# Altium PCB CCZynq.PcbDoc (part 2 of 5)
Units mil, origin at the board's own origin, x right, y up, seen from the top; angles counter-clockwise.
Board outline 3895 x 3895 mil, 4 copper layers (Top Layer, GND, PWR, Bottom Layer), stack 23.756 mil thick; 247 components, 195 nets, 1181 pads, 779 vias.
Unrouted connection lines stored in the file: 8.
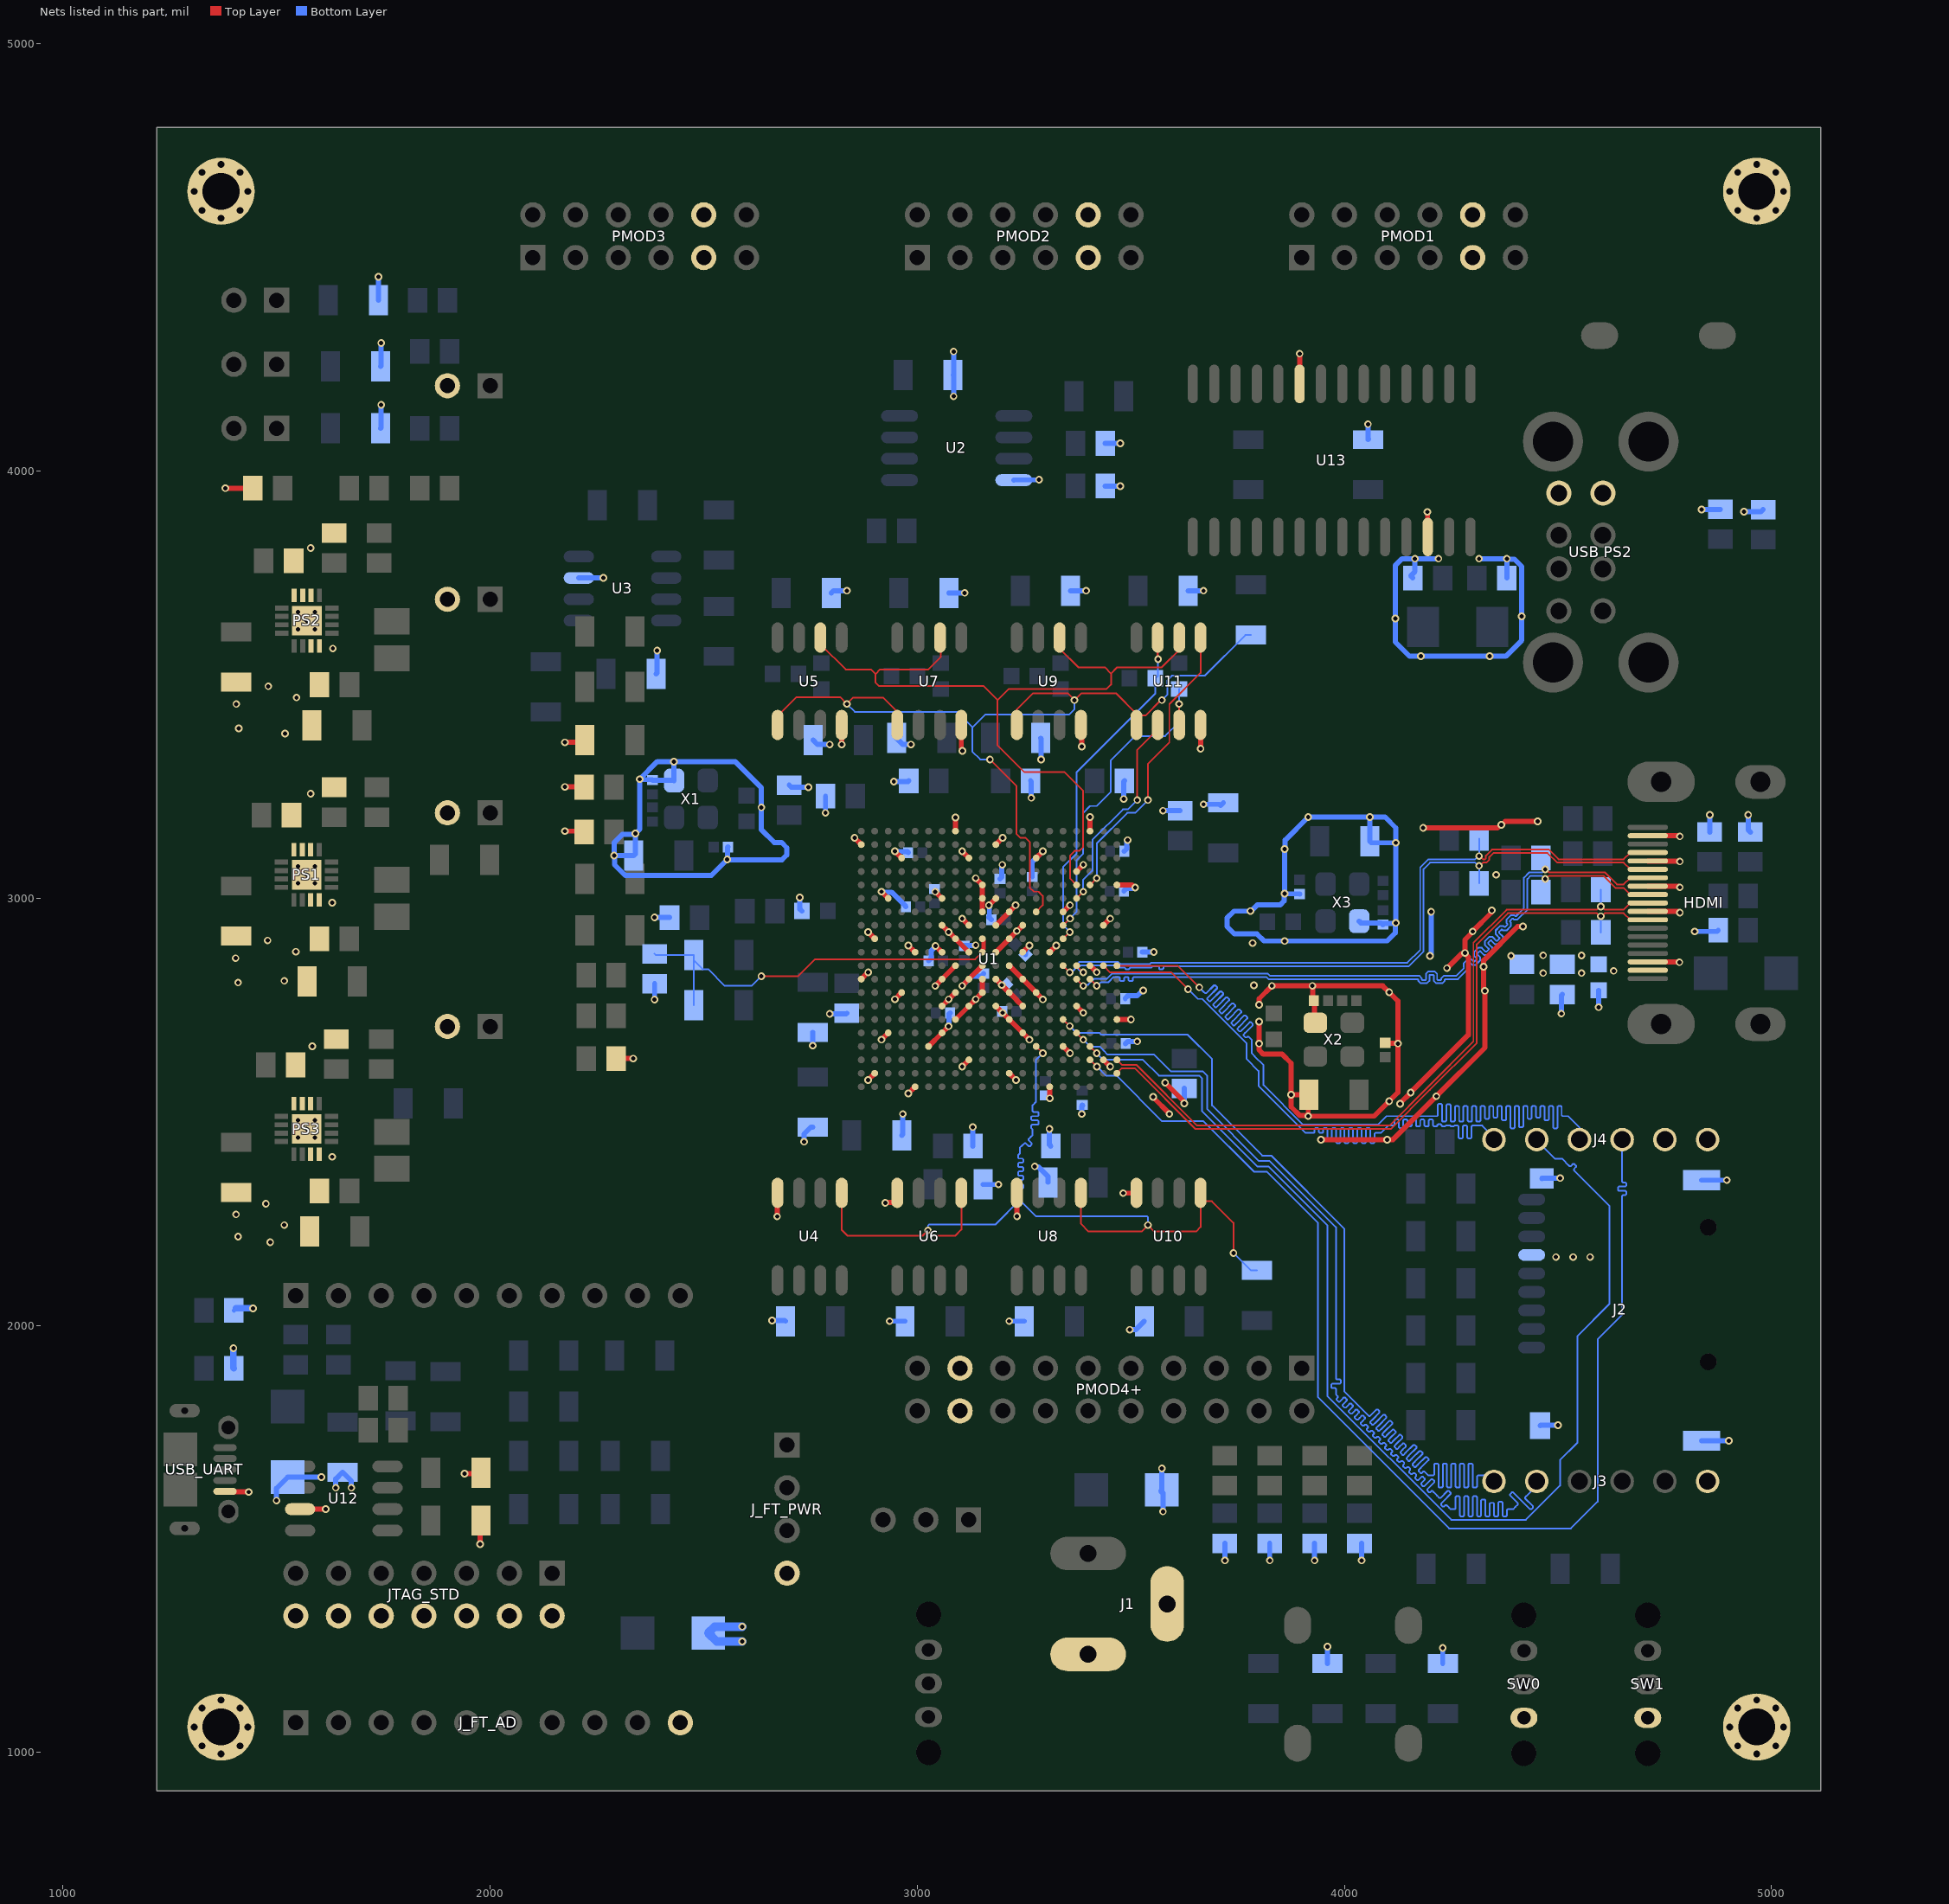
[diagram p4: the nets of this part, all layers, seen from the top]

## Via types
v1: diameter 17.72, hole 10, Top Layer to Bottom Layer, tented both sides, 747 vias
v2: diameter 23.62, hole 15.75, Top Layer to Bottom Layer, tented both sides, 32 vias

## Nets (pads, with @x,y where several pads share a name; then routed paths per layer and width w, separated by ;. In a path a pad name is that pad's centre, name@x,y a point inside that pad or via, vN(x,y) a via of type N, cw(c..) or ccw(c..) an arc to the next point about the centre after c; other vN are vias at no path point) (continued)
CE_B1: R47.2 U1.U14 U4.1 U6.1 U8.1 U10.1 | length 2305.8
  Top Layer w4: U4.1@2823,2310.36 2823,2223.34 2836.34,2210 3012.37,2210 v1(3025,2222.63) 3037.63,2210 3088.66,2210 3103,2224.34 U6.1@3103,2310.36 ; U1.U14@3278.24,2653.28 v1(3293.98,2637.53) ; U8.1@3383,2310.36 3383,2237.98 3400.98,2220 3525,2220 v1(3540,2235) 3555,2220 3652.63,2220 3663,2230.37 U10.1@3663,2301.59 ; U10.1@3663,2310.36 U10.1@3663,2301.59 ; v1(3740,2169.28) 3740,2240 3689.29,2290.71 3673.88,2290.71 U10.1@3663,2301.59
  Bottom Layer w4: v1(3025,2222.63) 3025,2233.59 3027.72,2236.31 3183.14,2236.31 3240,2293.17 ; v1(3293.98,2637.53) 3277.66,2621.2 3277.66,2523.21 3270,2515.55 3270,2505 3270,2502 3272,2500 3282,2500 3284,2498 3284,2492 3282,2490 3270,2490 3268.69,2490 3266.69,2488 3266.69,2482 3268.69,2480 3270,2480 3282,2480 3284,2478 3284,2472 3282,2470 3270,2470 3268.69,2470 3266.69,2468 3266.69,2462 3268.69,2460 3270,2458.69 3270,2450 3270,2445.74 3266.46,2442.2 3260.81,2436.55 3260.81,2433.72 3267.88,2426.65 3267.88,2423.82 3263.64,2419.57 3260.81,2419.57 3253.74,2426.65 3250.91,2426.65 3245.25,2420.99 3240,2415.74 3240,2410.74 3240,2402.74 3238,2400.74 3236,2398.74 3236,2392.74 3238,2390.74 3240,2390.74 3245.87,2390.74 3247.87,2388.74 3247.87,2382.74 3245.87,2380.74 3240,2380.74 3238,2380.74 3236,2378.74 3236,2372.74 3238,2370.74 3240,2370.74 3245.87,2370.74 3247.87,2368.74 3247.87,2362.74 3245.87,2360.74 3240,2360.74 3238,2360.74 3236,2358.74 3236,2352.74 3238,2350.74 3240,2350.74 3245.87,2350.74 3247.87,2348.74 3247.87,2342.74 3245.87,2340.74 3240,2340.74 3238,2340.74 3236,2338.74 3236,2332.74 3238,2330.74 3240,2330.74 3245.87,2330.74 3247.87,2328.74 3247.87,2322.74 3245.87,2320.74 3242,2320.74 3240,2318.74 3240,2315 3240,2293.17 ; v1(3540,2235) 3540,2252.74 3536.87,2255.86 3277.31,2255.86 3240,2293.17 ; v1(3740,2169.28) 3741.19,2169.28 3781.81,2128.66 R47.2@3795,2128.66
CE_B2: R48.2 U1.G14 U5.1 U7.1 U9.1 U11.1 | length 2233.7
  Top Layer w4: U5.1@2672,3414.64 2672,3425.9 2716.97,3470.86 2819.14,3470.86 v1(2835,3455) 2850,3470 2920,3470 2952,3438 U7.1@2952,3414.64 ; v1(3170,3325) 3231.74,3263.27 3231.74,3151 3241.27,3141.46 3253.7,3141.46 3263.23,3131.93 3263.23,3025.01 3272.76,3015.48 3283.71,3015.48 3293.75,3005.43 3293.75,2983.87 3278.24,2968.35 U1.G14@3278.24,2968.24 ; U9.1@3232,3414.64 3232,3440.99 3271.01,3480 3351.93,3480 v1(3367.99,3463.94) 3384.06,3480 3465,3480 3512,3433 U11.1@3512,3415.87 ; U11.1@3512,3414.64 U11.1@3512,3415.87 ; v1(3572.68,3463.94) 3570.25,3463.94 3534.06,3427.75 3523.88,3427.75 U11.1@3512,3415.87
  Bottom Layer w4: v1(2835,3455) 2853.66,3436.34 3093.62,3436.34 3129.36,3400.6 ; v1(3170,3325) 3147.07,3325 3128.64,3343.43 3128.64,3399.89 3129.36,3400.6 ; v1(3367.99,3463.94) 3367.99,3442.99 3355,3430 3158.75,3430 3129.36,3400.6 ; v1(3572.68,3463.94) 3585.04,3476.3 3585.04,3510 3596.34,3521.3 3673.11,3521.3 3768.15,3616.34 R48.2@3781.34,3616.34
ETH_CS: J4.5 U1.U18 | length 2828.3
  Top Layer w4: U1.U18@3404.22,2653.28 3404.22,2653.16 3419.97,2637.41 v1(3419.97,2637.07)
  Bottom Layer w4: v1(3419.97,2637.07) 3435.14,2621.9 3528.26,2621.9 3565.36,2584.8 3660.31,2584.8 3666.32,2578.79 3666.32,2502.05 3795.93,2372.44 3822.07,2372.44 3960,2234.51 3960,1835 4250,1545 4424.63,1545 4504.66,1625.03 4504.66,1684.66 4545,1725 4545,1975 4620,2050 4620,2280 4585,2315 4537.02,2362.98 4537.02,2365.81 4542.27,2371.06 4542.27,2373.88 4538.03,2378.13 4535.2,2378.13 4529.95,2372.88 4527.12,2372.88 4525,2375 4510,2390 4492.83,2390 4450,2432.83 J4.5@4450,2435
ETH_INT: J4.6 U1.L19 | length 1787.9
  Top Layer w4: U1.L19@3435.72,2842.25 3451.71,2826.26 3594.76,2826.26 v1(3633.66,2787.36)
  Bottom Layer w4: v1(3633.66,2787.36) 3656.64,2764.38 3666.62,2764.38 3770.9,2660.1 3770.9,2623.75 3799,2595.64 3799,2561 3909.14,2450.86 3925,2450.86 3928.05,2450.86 3930.05,2452.86 3930.05,2460 3932.05,2462 3938.05,2462 3940.05,2460 3940.05,2452.86 3942.05,2450.86 3948.05,2450.86 3950.05,2452.86 3950.05,2460 3952.05,2462 3958.05,2462 3960.05,2460 3960.05,2450.86 3960.05,2440.02 3962.05,2438.02 3968.05,2438.02 3970.05,2440.02 3970.05,2450.86 3970.05,2460 3972.05,2462 3978.05,2462 3980.05,2460 3980.05,2450.86 3980.05,2429.14 3982.05,2427.14 3988.05,2427.14 3990.05,2429.14 3990.05,2450.86 3990.05,2460 3992.05,2462 3998.05,2462 4000.05,2460 4000.05,2450.86 4000.05,2429.14 4002.05,2427.14 4008.05,2427.14 4010.05,2429.14 4010.05,2450.86 4010.05,2460 4012.05,2462 4018.05,2462 4020.05,2460 4020.05,2450.86 4020.05,2429.14 4022.05,2427.14 4028.05,2427.14 4030.05,2429.14 4030.05,2450.86 4030.05,2460 4032.05,2462 4038.05,2462 4040.05,2460 4040.05,2450.86 4040.05,2429.14 4042.05,2427.14 4048.05,2427.14 4050.05,2429.14 4050.05,2450.86 4050.05,2460 4052.05,2462 4058.05,2462 4060.05,2460 4060.05,2450.86 4060.05,2429.14 4062.05,2427.14 4068.05,2427.14 4070.05,2429.14 4070.05,2448.86 4072.05,2450.86 4080.05,2450.86 4085.05,2450.86 4102.18,2468 4107.32,2468 4115.32,2468 4117.32,2470 4117.32,2480 4119.32,2482 4125.32,2482 4127.32,2480 4127.32,2468 4127.32,2464.04 4129.32,2462.04 4135.32,2462.04 4137.32,2464.04 4137.32,2468 4137.32,2480 4139.32,2482 4145.32,2482 4147.32,2480 4147.32,2468 4147.32,2467.94 4149.32,2465.94 4155.32,2465.94 4157.32,2467.94 4157.32,2468 4157.32,2480 4159.32,2482 4165.32,2482 4167.32,2480 4167.32,2468 4167.32,2467.94 4169.32,2465.94 4175.32,2465.94 4177.32,2467.94 4177.32,2468 4177.32,2480 4179.32,2482 4185.32,2482 4187.32,2480 4187.32,2468 4187.32,2467.77 4189.32,2465.77 4195.32,2465.77 4197.32,2467.77 4197.32,2468 4197.32,2480 4199.32,2482 4205.32,2482 4207.32,2480 4207.32,2468 4207.32,2467.94 4209.32,2465.94 4215.32,2465.94 4217.32,2467.94 4217.32,2468 4217.32,2469.18 4219.32,2471.18 4225.32,2471.18 4227.32,2469.18 4227.32,2468 4227.32,2467.94 4229.32,2465.94 4235.32,2465.94 4237.32,2467.94 4237.38,2468 4247.26,2468 4247.32,2467.94 4249.32,2465.94 4255.32,2465.94 4257.32,2467.94 4257.38,2468 4265.32,2468 4267.32,2466 4267.32,2440 4269.32,2438 4275.32,2438 4277.32,2440 4277.32,2466 4279.32,2468 4285.32,2468 4287.32,2466 4287.32,2440 4289.32,2438 4295.32,2438 4297.32,2440 4297.32,2466 4299.32,2468 4307.32,2468 4317.32,2468 4322.32,2468 4350,2440.32 J4.6@4350,2435
ETH_MISO: J3.6 U1.R16 | length 2830.2
  Top Layer w4: U1.R16@3341.23,2716.27 3341.34,2716.27 3356.86,2700.75 v1(3356.98,2700.75)
  Bottom Layer w4: v1(3356.98,2700.75) 3372.84,2684.89 3413.17,2684.89 3413.4,2684.66 3426.54,2684.66 3430.33,2680.86 3632.77,2680.86 3690,2623.64 3690,2515.02 3807.53,2397.49 3828.47,2397.49 4000,2225.96 4000,1845 4056.95,1788.05 4059.78,1788.05 4074.91,1803.18 4077.74,1803.18 4081.98,1798.94 4081.98,1796.11 4065.44,1779.56 4060.61,1774.73 4060.61,1771.91 4064.85,1767.66 4067.68,1767.66 4072.51,1772.49 4090.92,1790.91 4093.75,1790.91 4098,1786.67 4098,1783.84 4079.58,1765.42 4074.75,1760.59 4074.75,1757.76 4078.99,1753.52 4081.82,1753.52 4086.65,1758.35 4105.07,1776.77 4107.9,1776.77 4112.14,1772.52 4112.14,1769.69 4093.72,1751.28 4088.89,1746.45 4088.89,1743.62 4093.14,1739.38 4095.96,1739.38 4100.79,1744.21 4112.63,1756.04 4115.46,1756.04 4119.7,1751.8 4119.7,1748.97 4107.86,1737.14 4103.04,1732.31 4103.04,1729.48 4107.28,1725.24 4110.11,1725.24 4114.93,1730.07 4128.64,1743.77 4131.47,1743.77 4135.71,1739.52 4135.71,1736.7 4122.01,1722.99 4117.18,1718.17 4117.18,1715.34 4121.42,1711.1 4124.25,1711.1 4129.08,1715.92 4136.76,1723.61 4139.59,1723.61 4143.83,1719.37 4143.83,1716.54 4136.15,1708.85 4131.32,1704.02 4131.32,1701.2 4135.56,1696.95 4138.39,1696.95 4143.22,1701.78 4161.64,1720.2 4164.46,1720.2 4168.71,1715.95 4168.71,1713.13 4150.29,1694.71 4145.46,1689.88 4145.46,1687.05 4149.7,1682.81 4152.53,1682.81 4157.36,1687.64 4175.78,1706.06 4178.61,1706.06 4182.85,1701.81 4182.85,1698.98 4164.43,1680.57 4159.6,1675.74 4159.6,1672.91 4163.85,1668.67 4166.68,1668.67 4171.5,1673.5 4189.92,1691.91 4192.75,1691.91 4196.99,1687.67 4196.99,1684.84 4178.57,1666.43 4173.75,1661.6 4173.75,1658.77 4177.99,1654.53 4180.82,1654.53 4184.23,1657.94 4187.06,1657.94 4192.72,1652.28 4196.25,1648.75 4200,1648.75 4208,1648.75 4210,1650.75 4210,1674.79 4212,1676.79 4218,1676.79 4220,1674.79 4220,1648.75 4220,1622.7 4222,1620.7 4228,1620.7 4230,1622.7 4230,1648.75 4230,1674.79 4232,1676.79 4238,1676.79 4240,1674.79 4240,1648.75 4240,1622.7 4242,1620.7 4248,1620.7 4250,1622.7 4250,1648.75 4250,1674.79 4252,1676.79 4258,1676.79 4260,1674.79 4260,1648.75 4260,1622.7 4262,1620.7 4268,1620.7 4270,1622.7 4270,1648.75 4270,1674.79 4272,1676.79 4278,1676.79 4280,1674.79 4280,1648.75 4280,1622.7 4282,1620.7 4288,1620.7 4290,1622.7 4290,1648.75 4290,1674.79 4292,1676.79 4298,1676.79 4300,1674.79 4300,1648.75 4300,1622.7 4302,1620.7 4308,1620.7 4310,1622.7 4310,1646.75 4312,1648.75 4315,1648.75 4336.25,1648.75 J3.6@4350,1635
ETH_MOSI: J4.3 U1.V18 | length 2827.7
  Top Layer w4: U1.V18@3404.22,2621.78 3404.45,2621.78 3420.2,2606.03 v1(3420.43,2606.03)
  Bottom Layer w4: v1(3420.43,2606.03) 3441.46,2585 3466.03,2585 3572.25,2478.79 3669.21,2478.79 3788,2360 3818.17,2360 3937.41,2240.76 3937.41,1832.59 4245.04,1524.96 4530.08,1524.96 4592.5,1587.38 4592.5,1967.65 4650,2025.15 4650,2140 4650,2303 4652,2305 4657.68,2305 4659.68,2307 4659.68,2313 4657.68,2315 4650,2315 4642.32,2315 4640.32,2317 4640.32,2323 4642.32,2325 4650,2325 4657.68,2325 4659.68,2327 4659.68,2333 4657.68,2335 4652,2335 4650,2337 4650,2340 J4.3@4650,2435
ETH_RST: J3.5 U1.T17 | length 2829.9
  Top Layer w4: U1.T17@3372.72,2684.77 v1(3388.47,2669.02)
  Bottom Layer w4: v1(3388.47,2669.02) 3404.57,2652.93 3426.54,2652.93 3435.83,2643.64 3445.31,2634.16 3554.2,2634.16 3589.06,2599.3 3593.16,2595.2 3668,2595.2 3678.66,2584.54 3678.66,2506.34 3800,2385 3824.77,2385 3980,2229.77 3980,1920 3980,1875.44 3982,1873.44 3989.13,1873.44 3991.13,1871.44 3991.13,1865.44 3989.13,1863.44 3980,1863.44 3970.87,1863.44 3968.87,1861.44 3968.87,1855.44 3970.87,1853.44 3978,1853.44 3980,1851.44 3980,1843.44 3980,1838.44 3984.29,1834.15 3984.29,1831.32 3981.67,1828.7 3981.67,1825.88 3985.91,1821.63 3988.74,1821.63 3992.77,1825.67 3998.37,1831.26 4001.2,1831.26 4005.44,1827.02 4005.44,1824.19 3999.84,1818.6 3995.81,1814.56 3995.81,1811.73 4000.05,1807.49 4002.88,1807.49 4006.91,1811.53 4012.51,1817.12 4015.34,1817.12 4019.58,1812.88 4019.58,1810.05 4013.98,1804.45 4009.95,1800.42 4009.95,1797.59 4014.19,1793.35 4017.02,1793.35 4021.05,1797.38 4026.65,1802.98 4029.48,1802.98 4033.72,1798.74 4033.72,1795.91 4028.13,1790.31 4024.09,1786.28 4024.09,1783.45 4028.33,1779.21 4031.16,1779.21 4035.2,1783.24 4040.79,1788.84 4043.62,1788.84 4047.86,1784.59 4047.86,1781.77 4042.27,1776.17 4038.23,1772.14 4038.23,1769.31 4042.48,1765.06 4045.3,1765.06 4047.92,1767.68 4050.75,1767.68 4055,1763.44 4055,1760.61 4052.38,1757.99 4052.38,1755.17 4056.62,1750.92 4059.45,1750.92 4062.07,1753.54 4064.9,1753.54 4069.14,1749.3 4069.14,1746.47 4066.52,1743.85 4066.52,1741.02 4070.76,1736.78 4073.59,1736.78 4076.21,1739.4 4079.04,1739.4 4083.28,1735.16 4083.28,1732.33 4080.66,1729.71 4080.66,1726.88 4084.9,1722.64 4087.73,1722.64 4090.35,1725.26 4093.18,1725.26 4097.42,1721.02 4097.42,1718.19 4094.8,1715.57 4094.8,1712.74 4099.04,1708.5 4101.87,1708.5 4104.49,1711.12 4107.32,1711.12 4111.56,1706.87 4111.56,1704.05 4108.94,1701.43 4108.94,1698.6 4113.19,1694.35 4116.02,1694.35 4118.64,1696.97 4121.46,1696.97 4125.71,1692.73 4125.71,1689.9 4123.09,1687.28 4123.09,1684.45 4127.33,1680.21 4130.16,1680.21 4132.78,1682.83 4135.61,1682.83 4139.85,1678.59 4139.85,1675.76 4137.23,1673.14 4137.23,1670.31 4141.47,1666.07 4144.3,1666.07 4146.92,1668.69 4149.75,1668.69 4153.99,1664.45 4153.99,1661.62 4151.37,1659 4151.37,1656.17 4155.61,1651.93 4158.44,1651.93 4161.06,1654.55 4163.89,1654.55 4168.13,1650.31 4168.13,1647.48 4165.51,1644.86 4165.51,1642.03 4169.76,1637.79 4172.58,1637.79 4176.62,1641.82 4180.73,1645.93 4183.56,1645.93 4187.8,1641.69 4187.8,1638.86 4183.69,1634.75 4179.65,1630.71 4179.65,1627.89 4183.9,1623.64 4186.73,1623.64 4190.76,1627.68 4203.22,1640.14 4206.05,1640.14 4210.29,1635.89 4210.29,1633.06 4197.83,1620.61 4193.8,1616.57 4193.8,1613.74 4198.04,1609.5 4200.87,1609.5 4203.49,1612.12 4206.32,1612.12 4208.44,1610 4216.72,1601.72 4222.28,1596.16 4225.1,1596.16 4241.65,1612.7 4244.47,1612.7 4248.72,1608.46 4248.72,1605.63 4230.76,1587.68 4226.11,1583.03 4226.11,1580.2 4230.35,1575.96 4233.18,1575.96 4236.42,1579.19 4239.25,1579.19 4244.9,1573.54 4248.44,1570 4250,1570 4258,1570 4260,1572 4260,1598 4262,1600 4268,1600 4270,1598 4270,1570 4270,1555 4272,1553 4278,1553 4280,1555 4280,1570 4280,1598 4282,1600 4288,1600 4290,1598 4290,1570 4290,1555 4292,1553 4298,1553 4300,1555 4300,1570 4300,1598 4302,1600 4308,1600 4310,1598 4310,1570 4310,1555 4312,1553 4318,1553 4320,1555 4320,1570 4320,1590.6 4322,1592.6 4328,1592.6 4330,1590.6 4330,1570 4330,1555 4332,1553 4338,1553 4340,1555 4340,1570 4340,1582.75 4342,1584.75 4348,1584.75 4350,1582.75 4350,1570 4350,1555 4352,1553 4358,1553 4360,1555 4360,1570 4360,1584.84 4362,1586.84 4368,1586.84 4370,1584.84 4370,1570 4370,1555 4372,1553 4378,1553 4380,1555 4380,1568 4382,1570 4390,1570 4395,1570 4400.25,1575.25 4405.91,1580.91 4405.91,1583.74 4387.52,1602.12 4387.52,1604.95 4391.77,1609.19 4394.59,1609.19 4414.39,1589.39 4434.19,1569.59 4437.02,1569.59 4441.26,1573.84 4441.26,1576.67 4422.88,1595.05 4422.88,1597.88 4425,1600 4436.25,1611.25 4436.25,1621.25 J3.5@4450,1635
ETH_SCLK: J4.4 U1.L20 | length 2832
  Top Layer w4: U1.L20@3467.21,2842.25 3609.26,2842.25 v1(3660,2791.51)
  Bottom Layer w4: v1(3660,2791.51) 3671.51,2780 3673.63,2777.88 3676.46,2777.88 3694.84,2796.26 3697.67,2796.26 3701.92,2792.02 3701.92,2789.19 3682.12,2769.39 3678.93,2766.21 3678.93,2763.38 3683.17,2759.14 3686,2759.14 3689.19,2762.32 3708.99,2782.12 3711.82,2782.12 3716.06,2777.88 3716.06,2775.05 3696.26,2755.25 3693.07,2752.07 3693.07,2749.24 3697.32,2745 3700.15,2745 3703.33,2748.18 3723.13,2767.98 3725.96,2767.98 3730.2,2763.74 3730.2,2760.91 3710.4,2741.11 3707.22,2737.92 3707.22,2735.1 3711.46,2730.85 3714.29,2730.85 3717.47,2734.04 3737.27,2753.84 3740.1,2753.84 3744.34,2749.59 3744.34,2746.77 3724.54,2726.97 3721.36,2723.78 3721.36,2720.95 3725.6,2716.71 3728.43,2716.71 3731.61,2719.9 3751.41,2739.69 3754.24,2739.69 3758.48,2735.45 3758.48,2732.62 3738.69,2712.82 3735.5,2709.64 3735.5,2706.81 3739.74,2702.57 3742.57,2702.57 3745.76,2705.75 3765.56,2725.55 3768.38,2725.55 3772.63,2721.31 3772.63,2718.48 3752.83,2698.68 3749.64,2695.5 3749.64,2692.67 3753.89,2688.43 3756.71,2688.43 3759.9,2691.61 3778.1,2709.81 3780.93,2709.81 3785.17,2705.57 3785.17,2702.74 3766.97,2684.54 3763.78,2681.36 3763.78,2678.53 3768.03,2674.28 3770.86,2674.28 3772.63,2676.06 3775.45,2676.06 3781.11,2670.4 3783,2668.51 3783,2663.51 3783,2653.51 3783,2643.51 3783,2636.86 3786.54,2633.32 3789.93,2629.93 3810.66,2609.2 3810.66,2562.54 3903.19,2470 4077.93,2470 4097.93,2490 4190,2490 4216.43,2490 4218.43,2492 4218.43,2516.66 4220.43,2518.66 4226.43,2518.66 4228.43,2516.66 4228.43,2490 4228.43,2479.34 4230.43,2477.34 4236.43,2477.34 4238.43,2479.34 4238.43,2490 4238.43,2515.66 4240.43,2517.66 4246.43,2517.66 4248.43,2515.66 4248.43,2490 4248.43,2479.34 4250.43,2477.34 4256.43,2477.34 4258.43,2479.34 4258.43,2490 4258.43,2511.72 4260.43,2513.72 4266.43,2513.72 4268.43,2511.72 4268.43,2490 4268.43,2479.34 4270.43,2477.34 4276.43,2477.34 4278.43,2479.34 4278.43,2490 4278.43,2511.72 4280.43,2513.72 4286.43,2513.72 4288.43,2511.72 4288.43,2490 4288.43,2479.34 4290.43,2477.34 4296.43,2477.34 4298.43,2479.34 4298.43,2490 4298.43,2511.72 4300.43,2513.72 4306.43,2513.72 4308.43,2511.72 4308.43,2490 4308.43,2479.34 4310.43,2477.34 4316.43,2477.34 4318.43,2479.34 4318.43,2490 4318.43,2511.72 4320.43,2513.72 4326.43,2513.72 4328.43,2511.72 4328.43,2490 4328.43,2485.87 4330.43,2483.87 4336.43,2483.87 4338.43,2485.87 4338.43,2490 4338.43,2511.72 4340.43,2513.72 4346.43,2513.72 4348.43,2511.72 4348.43,2490 4348.43,2488.65 4350.43,2486.65 4356.43,2486.65 4358.43,2488.65 4358.43,2490 4358.43,2511.72 4360.43,2513.72 4366.43,2513.72 4368.43,2511.72 4368.43,2490 4368.43,2481.97 4370.43,2479.97 4376.43,2479.97 4378.43,2481.97 4378.43,2490 4378.43,2511.72 4380.43,2513.72 4386.43,2513.72 4388.43,2511.72 4388.43,2490 4388.43,2463.34 4390.43,2461.34 4396.43,2461.34 4398.43,2463.34 4398.43,2490 4398.43,2511.72 4400.43,2513.72 4406.43,2513.72 4408.43,2511.72 4408.43,2490 4408.43,2466.14 4410.43,2464.14 4416.43,2464.14 4418.43,2466.14 4418.43,2490 4418.43,2511.72 4420.43,2513.72 4426.43,2513.72 4428.43,2511.72 4428.43,2490 4428.43,2485.87 4430.43,2483.87 4436.43,2483.87 4438.43,2485.87 4438.43,2490 4438.43,2511.72 4440.43,2513.72 4446.43,2513.72 4448.43,2511.72 4448.43,2490 4448.43,2488.65 4450.43,2486.65 4456.43,2486.65 4458.43,2488.65 4458.43,2490 4458.43,2511.72 4460.43,2513.72 4466.43,2513.72 4468.43,2511.72 4468.43,2490 4468.43,2481.97 4470.43,2479.97 4476.43,2479.97 4478.43,2481.97 4478.43,2490 4478.43,2511.72 4480.43,2513.72 4486.43,2513.72 4488.43,2511.72 4488.43,2490 4488.43,2463.34 4490.43,2461.34 4496.43,2461.34 4498.43,2463.34 4498.43,2490 4498.43,2511.72 4500.43,2513.72 4506.43,2513.72 4508.43,2511.72 4508.43,2492 4510.43,2490 4518.43,2490 4523.43,2490 4529.89,2483.54 4533.43,2480 4550,2463.43 J4.4@4550,2435